# KiCad board proteus.kicad_pcb (continued)
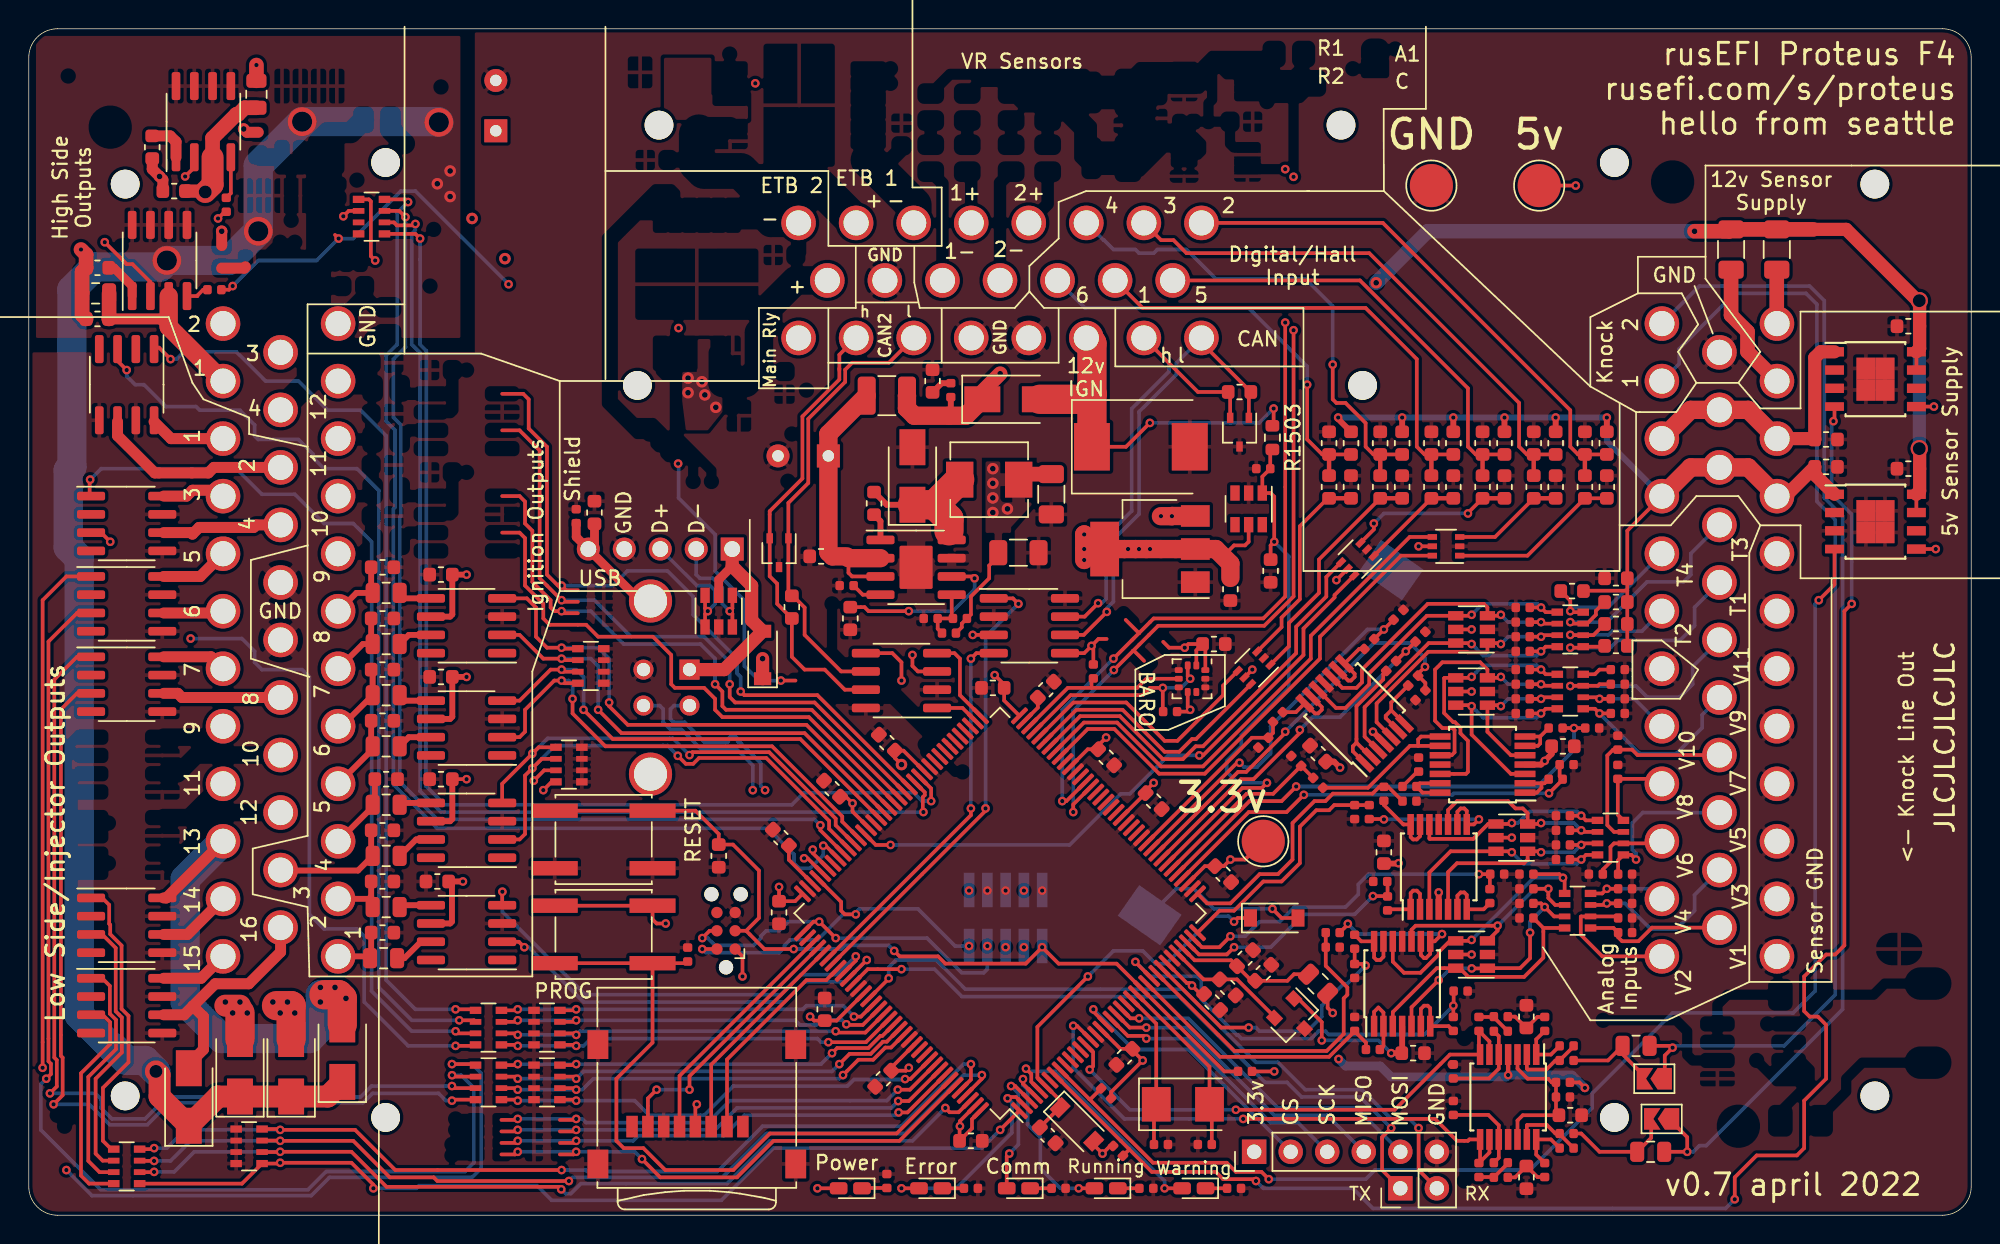
[diagram p0: board, top side]
## Routing (per net, layer and track width the routed paths; a pad name or vN(x,y) marks a point on that pad's centre or on a via; arc(x,y) is an arc through that point) (continued)
  Top w0.254: D1506.2 v1(72.97,1.87) ; U1501.4 69.1,9.15 v1(69.1,9.47)
  Bottom w0.254: v1(72.97,1.87) 71.7,1.87 70.3,3.27 70.3,5.43 69.42,6.32 69.42,8.72 69.1,9.04 v1(69.1,9.47)
/mcu/LED4: length 16.5
  Top w0.254: U1501.5 69.67,9.28 69.67,9.82 v1(69.31,10.19) ; v1(78.94,1.87) D1507.2
  Bottom w0.254: v1(69.31,10.19) 69.5,10 71.32,10 78.94,2.38 v1(78.94,1.87)
/mcu/nRESET: length 61.1
  Top w0.254: v1(60.14,18.38) 60.53,18 63.19,18 63.7,17.49 69.29,17.49 v1(70.43,18.64) 71.57,17.49 75.6,17.49 U1501.25 83.1,10 R1502.1 ; J4.3 49.86,19.78 ; 49.86,19.78 50.75,20.67 50.75,23.97 48.94,25.77 C1517.2 47.95,26.51 46.33,28.13 SW1501.1 SW1501.1 ; 49.86,19.78 51.13,18.51 v1(53.16,18.51)
  Bottom w0.254: J1502.10 v1(70.43,18.64) ; v1(60.14,18.38) 59.76,18.76 56.72,18.76 56.46,18.51 v1(53.16,18.51)
/mcu/SD_CS: length 15
  Top w0.254: J1.2 48.53,10.83 54.05,16.35 55.43,16.35 U1501.116
/mcu/SD_MISO: length 18.7
  Top w0.254: J1.7 43.03,8.12 v1(43.63,8.73) ; v1(45.92,8.73) 45.92,9.67 U1501.112
  Bottom w0.254: v1(43.63,8.73) v1(45.92,8.73)
/mcu/SD_MOSI: length 15.3
  Top w0.254: U1501.113 47.43,10.47 J1.3
/mcu/SD_SCK: length 16.6
  Top w0.254: J1.5 45.23,9.69 U1501.111
/mcu/SWCLK: length 26.7
  Top w0.254: v1(46.81,19.27) 47.32,19.78 J4.4 ; v1(56.08,19.27) v1(54.94,20.41) 54.54,20.41 U1501.109
  Bottom w0.254: v1(46.81,19.27) 47.19,19.27 47.7,18.76 50.37,18.76 50.87,19.27 50.87,19.4 51.25,19.78 52.14,19.78 52.78,20.41 v1(54.94,20.41) ; v1(56.08,19.27) 62.43,19.27 64.84,16.86 66.37,16.86 66.62,17.11 v1(66.62,18.72)
/mcu/SWDIO: length 26.2
  Top w0.254: J4.2 v1(46.81,18.51) ; 54.83,23.44 U1501.105 56.46,21.79 56.46,21.18 56.72,20.92 v1(57.48,20.92)
  Bottom w0.254: v1(65.35,18.72) 64.38,18.72 61.8,21.3 57.73,21.3 57.48,21.05 v1(57.48,20.92) 56.59,20.92 54.81,19.14 52.91,19.14 52.52,18.76 52.52,18.64 52.14,18.26 47.06,18.26 v1(46.81,18.51)
/mcu/UART_RX: length 49.4
  Top w0.254: J2.2 96.59,3.14 v1(96.59,6.06) ; U1501.122 59.76,16.44 v1(59.76,16.48)
  Bottom w0.254: v1(59.76,16.48) 59.76,17.24 60.27,17.75 63.06,17.75 65.1,15.71 80.21,15.71 85.29,10.63 86.81,10.63 88.72,8.73 92.66,8.73 94.69,6.7 95.96,6.7 v1(96.59,6.06)
/mcu/UART_TX: length 47.4
  Top w0.254: v1(60.65,17.11) 58.31,17.11 U1501.119 ; v1(94.69,6.06) 94.05,5.43 94.05,3.14 J2.1
  Bottom w0.254: v1(94.69,6.06) 92.53,8.22 88.47,8.22 87.45,9.24 85.92,9.24 79.96,15.21 64.84,15.21 62.94,17.11 v1(60.65,17.11)
/quad_analog3/IN4: length 2.1
  Top w0.254: R904.1 109.17,37.94 108.84,37.62 RN901.4
/quad_analog3/OUT4: length 1.6
  Top w0.254: 96.47,30.85 96.47,30.8 ; R20.1 96.51,30.85 R24.2
/USB_D+: length 38.9
  Top w0.2: U1501.104 55.22,23.77
  Top w0.254: U1501.104 55.18,23.77 54.13,24.82 v3(53.88,24.82) ; U1502.1 47,41.82 v3(47.19,42) 47,42.19 U1502.6
  In1.Cu w0.254: v3(53.88,24.82) 53.88,25.07 50.49,28.46 50.49,29.39 v3(50.32,29.56) ; J1501.3 44.07,36.79 44.07,39.49 44.67,40.1 47.21,40.1 47.7,40.59 47.7,41.5 v3(47.19,42)
  Bottom w0.254: J1501.3 43.85,35.44 44.09,35.2 44.09,34.28 44.6,33.77 45.36,33.77 46.78,32.35 49.24,32.35 50.32,31.28 v3(50.32,29.56) ; v3(47.19,42) 47.7,42.51 47.7,43.42 47.34,43.78 46.43,43.78 J1504.3
/USB_D-: length 38.2
  Top w0.2: U1501.103 55.54,24.08
  Top w0.254: U1502.4 48.9,42.19 v3(48.71,42) 48.9,41.82 U1502.3 ; U1501.103 55.54,24.13 54.49,25.18 v3(54.49,25.42)
  In1.Cu w0.254: v3(48.71,42) 48.21,41.5 48.21,40.37 47.42,39.59 44.88,39.59 44.57,39.28 44.57,36.79 J1501.2 ; v3(51.17,29.56) 51,29.39 51,28.67 54.24,25.42 v3(54.49,25.42)
  Bottom w0.254: v3(51.17,29.56) 50.87,29.86 50.87,31.44 49.45,32.86 49.41,32.87 49.36,32.88 49.32,32.91 49.29,32.94 49.26,32.98 49.25,33.02 49.24,33.12 49.22,33.16 49.2,33.2 49.16,33.24 49.12,33.26 49.08,33.28 49.03,33.28 48.85,33.28 48.81,33.28 48.76,33.26 48.72,33.24 48.69,33.2 48.66,33.16 48.65,33.12 48.64,33.02 48.62,32.98 48.6,32.94 48.56,32.91 48.52,32.88 48.48,32.87 48.43,32.86 46.99,32.86 45.57,34.28 44.81,34.28 44.6,34.49 44.6,35.2 44.84,35.44 J1501.2 ; J1504.2 46.39,44.54 46.64,44.29 47.55,44.29 48.21,43.63 48.21,42.51 v3(48.71,42)
/USB_SHIELD: length 23.9
  Top w0.254: 43.86,30.07 43.42,30.07
  Top w0.61: J1501.5 42.5,42.71 J1504.5 ; J1504.5 39.32,46.75 C1516.1 ; J1504.5 38.05,47.16 R1501.1
  In1.Cu w0.762: J1501.5 41.35,32.53 41.35,40.85 J1501.5
/VR1+: length 58.1
  Top w0.254: U1501.58 72.59,28.56 v3(72.59,28.03) ; v3(87.9,61.54) 87.9,43.02 85.86,40.99 78.49,40.99 76.75,39.24 ; 77.52,38.55 76.82,39.24 76.75,39.24 ; 76.75,39.24 v3(75.41,37.91)
  In1.Cu w0.254: v3(87.9,61.54) v3(87.9,72.21)
  Bottom w0.254: v3(72.59,28.03) 72.59,35.09 v3(75.41,37.91)
/VR2+: length 58.3
  Top w0.254: U1501.59 72.11,28.8 v3(71.83,28.8) ; 76.24,41.4 77.15,40.48 77.16,40.48 ; 77.16,40.48 v3(75.38,38.7) ; 77.16,40.48 78.18,41.5 85.8,41.5 87.32,43.02 v3(87.32,62.07)
  In1.Cu w0.254: v3(87.32,62.07) v3(87.32,72.74)
  Bottom w0.254: v3(71.83,28.8) 71.83,35.15 v3(75.38,38.7)
Net-(BT1-Pad1): length 11.9
  Top w0.254: D3.2 87.07,20.67 v1(86.43,21.3)
  Bottom w0.254: v1(86.43,21.3) 82.37,21.3 80.97,22.7 79.74,22.7 BT1.1
Net-(C1-Pad1): length 18
  Top w0.254: 105.26,19.98 105.26,17.91 103.93,16.57 100.05,16.57 99.45,17.18 U1.6 97.85,17.18 94.8,14.12 U701.3 ; 105.26,19.98 RN701.8 ; 105.26,19.98 C1.1
Net-(C2-Pad1): length 18
  Top w0.254: v1(104.34,19.65) 104.34,17.87 103.64,17.18 U1.1 ; v1(100.28,17.16) 101.36,17.16 U1.1 ; C2.1 105.1,21.68 v1(105.36,21.43) 106.01,20.78 RN701.7 ; U1.1 101.87,17.18 ; v1(97.99,16.35) 96.1,14.46 U701.5
  Bottom w0.254: v1(105.36,21.43) 104.34,20.41 v1(104.34,19.65) ; v1(97.99,16.35) 98.8,17.16 v1(100.28,17.16)
Net-(C3-Pad1): length 15.9
  Top w0.254: U1.3 102.08,19.78 v1(102.08,20.13) 96.38,20.13 96.1,19.85 U701.10 ; RN701.6 106.09,21.58 105.61,22.05 v1(105.61,22.7) C3.1
  Bottom w0.254: v1(105.61,22.7) 104.65,22.7 v1(102.08,20.13)
Net-(C4-Pad1): length 19.7
  Top w0.254: U701.12 94.8,17.63 95.58,16.86 96.72,16.86 97.99,18.13 97.99,18.3 98.77,19.08 U1.4 100.21,19.08 v1(100.28,19.14) ; C4.1 106.37,23.72 v1(106.63,23.46) 106.74,23.35 RN701.5
  Bottom w0.254: v1(100.28,19.14) 104.59,23.46 v1(106.63,23.46)
Net-(C5-Pad1): length 16.3
  Top w0.254: U801.3 97.34,23.83 98.82,25.31 U2.6 103,25.31 v1(103.07,25.24) ; C5.1 v1(107.9,24.73) 108.22,25.06 RN801.8
  Bottom w0.254: v1(107.9,24.73) 107.6,24.43 103.88,24.43 v1(103.07,25.24)
Net-(C6-Pad1): length 15
  Top w0.254: U801.5 98.64,23.86 99.26,24.48 103.92,24.48 104.17,24.73 U2.1 105.04,25.31 v1(105.1,25.24) ; RN801.7 108,25.86 v1(107.9,25.75) C6.1
  Bottom w0.254: v1(107.9,25.75) 107.39,25.24 v1(105.1,25.24)
Net-(C7-Pad1): length 13.8
  Top w0.254: C7.1 v1(107.9,26.76) 108,26.66 RN801.6 ; U801.10 98.64,28.18 99.26,28.8 102.82,28.8 103.32,28.29 103.83,28.29 104.17,27.95 U2.3 105.04,27.21 v1(105.1,27.27)
  Bottom w0.254: v1(105.1,27.27) 107.39,27.27 v1(107.9,26.76)
Net-(C8-Pad1): length 14.5
  Top w0.254: v1(103.07,27.27) 103,27.21 U2.4 101.42,27.21 100.39,26.17 97.37,26.17 97.34,26.2 U801.12 ; RN801.5 108.22,27.46 v1(107.9,27.78) C8.1
  Bottom w0.254: v1(107.9,27.78) 107.6,28.08 104.3,28.08 103.49,27.27 v1(103.07,27.27)
Net-(C9-Pad1): length 15.3
  Top w0.254: U3.6 100.21,35.47 v1(100.28,35.4) 100.28,33.42 103.01,30.69 U901.3 ; C9.1 v1(105.1,34.89) 105.43,35.22 RN901.8
  Bottom w0.254: v1(100.28,35.4) 101.08,34.59 104.8,34.59 v1(105.1,34.89)
Net-(C10-Pad1): length 11.1
  Top w0.254: U901.5 103.01,31.99 101.38,33.62 U3.1 102.24,35.47 v1(102.31,35.4) ; C10.1 v1(105.1,35.91) 105.21,36.02 RN901.7
  Bottom w0.254: v1(102.31,35.4) 102.82,35.91 v1(105.1,35.91)
Net-(C11-Pad1): length 18.4
  Top w0.254: C11.1 v1(105.1,36.92) 105.21,36.82 RN901.6 ; U901.10 98.89,31.99 99.09,32.19 99.09,33.73 98.95,33.88 98.24,33.88 97.74,34.38 97.74,37.94 98.24,38.45 100.87,38.45 101.38,37.95 U3.3 102.24,37.37 v1(102.31,37.43)
  Bottom w0.254: v1(105.1,36.92) 102.82,36.92 v1(102.31,37.43)
Net-(C12-Pad1): length 18.5
  Top w0.254: U901.12 99.88,30.69 100.02,30.83 100.02,32.99 99.5,33.51 99.5,33.9 99.12,34.28 99,34.28 98.37,34.92 98.37,37.34 98.39,37.37 U3.4 100.21,37.37 v1(100.28,37.43) ; RN901.5 105.43,37.62 v1(105.1,37.94) C12.1
  Bottom w0.254: v1(100.28,37.43) 101.08,38.24 104.8,38.24 v1(105.1,37.94)
Net-(C13-Pad1): length 20
  Top w0.254: U4.6 100.21,39.78 v1(100.28,39.72) ; U4.6 97.29,39.78 92.84,35.33 92.84,33.28 U1101.3 ; U4.6 99.19,39.78 ; C13.1 v1(105.1,39.21) 105.43,39.53 RN1101.8
  Bottom w0.254: v1(105.1,39.21) 104.8,38.91 101.08,38.91 v1(100.28,39.72)
Net-(C14-Pad1): length 18.5
  Top w0.254: U1101.5 93.67,34.29 93.67,35.59 97.26,39.18 99.96,39.18 100,39.14 101.31,39.14 101.38,39.2 U4.1 102.24,39.78 v1(102.31,39.72) ; C14.1 v1(105.1,40.23) 105.21,40.33 RN1101.7
  Bottom w0.254: v1(105.1,40.23) 102.82,40.23 v1(102.31,39.72)
Net-(C15-Pad1): length 20.7
  Top w0.254: v1(102.31,41.75) 102.24,41.68 U4.3 101.38,42.26 101.13,42.51 97.23,42.51 92.66,37.94 92.66,37.05 92.28,36.67 91.29,36.67 U1101.10 ; RN1101.6 105.21,41.13 v1(105.1,41.24) C15.1
  Bottom w0.254: v1(102.31,41.75) 102.82,41.24 v1(105.1,41.24)
Net-(C16-Pad1): length 21.7
  Top w0.254: RN1101.5 105.43,41.93 v1(105.1,42.26) C16.1 ; v1(100.28,41.75) 100.21,41.68 U4.4 ; U4.4 99.07,41.68 ; U4.4 97.16,41.68 93.16,37.69 93.16,36.92 91.51,35.27 90.85,35.27 U1101.12
  Bottom w0.254: v1(105.1,42.26) 104.85,42.51 101.04,42.51 v1(100.28,41.75)
Net-(C21-Pad2): length 3.2
  Top w0.254: R44.2 103.3,13.81 C21.2 104.85,13.79 R42.1
Net-(C22-Pad2): length 3.2
  Top w0.254: R45.2 103.3,2.63 C22.2 104.85,2.66 R43.1
Net-(C23-Pad1): length 2.5
  Top w0.254: C23.1 101.8,13.79 R44.1 101.82,13.76 R46.2
Net-(C24-Pad1): length 2.5
  Top w0.254: R47.2 102.79,3.6 R45.1 101.8,2.66 C24.1
Net-(C25-Pad2): length 6.2
  Top w0.254: 101.8,12.82 R46.1 102.17,12.45 U5.5 102.17,10.19 101.49,9.52 C25.2
Net-(C26-Pad2): length 6.2
  Top w0.254: C26.2 101.44,6.97 102.17,6.25 U5.10 102.17,3.99 R47.1
Net-(C30-Pad1): length 27.3
  Top w0.254: v1(73.61,16.6) 70.1,13.1 70.1,9.56 U1501.6 71.68,7.98 D4.1 71.64,7.48 C30.1 ; D3.1 84.02,20.67 v1(83.77,20.41)
  Bottom w0.254: v1(83.77,20.41) 83.39,20.8 82.37,20.8 79.07,17.49 78.31,17.49 77.42,18.38 75.38,18.38 v1(73.61,16.6)
Net-(C902-Pad1): length 11.8
  Top w0.254: C902.1 58.09,42.28 58.37,42 v1(61.16,42) ; v1(65.73,44.29) 65.61,44.42 U903.6
  Bottom w0.254: v1(61.16,42) 64.21,42 65.73,43.53 v1(65.73,44.29)
Net-(C904-Pad1): length 2.1
  Top w0.406: C904.1 59.19,48.26 59.19,46.96 59.1,47.05
Net-(C904-Pad2): length 9.3
  Top w0.406: D901.1 59.63,49.4 C904.2
  Top w2.032: 63.95,47.59 63.95,48.4 62.95,49.4 ; D901.1 62.95,49.4 ; 62.95,49.4 L1001.1
Net-(C905-Pad2): length 3.9
  Top w0.254: U903.5 64.14,41.58 R908.1 R907.1 63.17,40.78 C905.2
Net-(C1001-Pad1): length 19.1
  Top w0.254: 59.19,44.42 57.22,44.42 56.97,44.67 56.97,45.69 56.84,45.81
  Top w1.27: L1002.2 55.57,54.33 C1001.1 55.57,46.09 C1002.1 56.84,45.81 ; 56.97,45.69 59.19,45.69
Net-(C1006-Pad1): length 1.5
  Top w0.406: R906.2 63.45,57.86 C1006.1
Net-(C1205-Pad1): length 11.6
  Top w0.254: v1(100.02,48.8) 100.02,48.84 R1202.1 ; v1(93.48,48.1) 93.48,47.69 U1202.3
  Top w0.305: C1205.1 R1202.1
  Bottom w0.254: v1(100.02,48.8) 94.18,48.8 v1(93.48,48.1)
Net-(C1208-Pad1): length 14.3
  Top w0.254: R1204.1 90.28,49.85 88.34,47.91 88.34,42.83 87.07,41.56 87.07,40.89 U1208.3
  Top w0.305: R1204.1 C1208.1
Net-(C1402-Pad1): length 7.2
  Top w0.254: U1202.1 93.47,45.84 R1402.1
  Top w0.305: R1402.1 C1402.1
Net-(C1404-Pad1): length 11.9
  Top w0.254: C1404.1 R1404.1 104.16,45.86 U1207.1
Net-(C1406-Pad1): length 7.8
  Top w0.254: U1207.3 101.9,47.16 R1406.1
  Top w0.305: R1406.1 C1406.1
Net-(C1408-Pad1): length 16.3
  Top w0.254: U1208.1 87.58,39.56 87.58,41.18 89.67,43.27 89.67,45.6 R1408.1
  Top w0.305: R1408.1 C1408.1
Net-(C1518-Pad1): length 2
  Top w0.254: C1518.1 70.13,35.3 U1501.71
Net-(C1519-Pad1): length 3.3
  Top w0.254: C1519.1 52.83,24.71 U1501.106
Net-(C1520-Pad1): length 8.7
  Top w0.254: U8.2 86.58,13.79 83.97,16.4 C1520.1 81.65,16.4 U1501.32
Net-(C1521-Pad1): length 10.9
  Top w0.254: 78.2,4.92 78.2,7.55 Y1501.1 78.36,13.32 U1501.23
Net-(C1522-Pad1): length 12.7
  Top w0.254: U1501.24 82.06,10.33 Y1501.2 82.22,7.55 C1522.1
Net-(C1901-Pad1): length 6.7
  Top w0.254: JP1.2 112.25,9.71 110.77,11.19 C1901.1 109.75,10.76 R1901.2
Net-(C1902-Pad1): length 7.6
  Top w0.254: JP2.2 112.76,5.39 C1902.1 109.17,4.41 107.9,5.68 R1902.2
Net-(D1502-Pad1): length 1.7
  Top w0.254: D1502.1 57.93,1.89 R1508.2
Net-(D1503-Pad2): length 15.2
  Top w0.61: 48.89,45.13 47.95,44.2 U1502.5
  Top w0.914: J1501.1 48.33,37.94 D1503.2 50.24,41.37 50.24,43.78 48.89,45.13 J1504.1
Net-(D1504-Pad1): length 1.5
  Top w0.254: D1504.1 R1509.2
Net-(D1505-Pad1): length 1.5
  Top w0.254: R1510.2 D1505.1
Net-(D1506-Pad1): length 1.5
  Top w0.254: D1506.1 R1511.2
Net-(D1507-Pad1): length 1.5
  Top w0.254: D1507.1 R1512.2
Net-(F101-Pad1): length 9.1
  Top w1.016: F101.1 118.31,62.58 119.45,61.44 119.45,60.05 J103.11
Net-(F102-Pad2): length 3.8
  Top w1.016: J103.12 121.49,62.02 F102.2
Net-(R1-Pad2): length 4.6
  Top w0.254: R1.2 94.15,11.77 U701.2 94.15,14.09 93.8,14.45 93.5,14.15 U701.1
Net-(R2-Pad2): length 5
  Top w0.254: U701.6 96.75,14.35 96.97,14.57 97.23,14.57 97.4,14.4 U701.7 98.68,13.15 R2.2
Net-(R3-Pad2): length 11.4
  Top w0.254: U701.9 96.75,18.1 96.97,17.87 97.1,17.87 97.4,18.17 U701.8 97.71,19.05 v1(98.22,19.55) ; R3.2 91.68,20.22 v1(91.68,20.27)
  Bottom w0.254: v1(91.68,20.27) 92.39,19.55 v1(98.22,19.55)
Net-(R4-Pad2): length 4.6
  Top w0.254: U701.13 94.15,17.97 93.93,17.75 93.67,17.75 93.5,17.92 U701.14 92.6,19.05 R4.2
Net-(R9-Pad2): length 4.7
  Top w0.254: U801.2 96.69,22.35 96.47,22.57 96.21,22.57 96.04,22.4 U801.1 94.51,21.27 R9.2
Net-(R10-Pad2): length 4.5
  Top w0.254: R10.2 101.11,21.27 U801.7 99.94,22.27 99.77,22.45 99.51,22.45 99.29,22.22 U801.6
Net-(R11-Pad2): length 11.3
  Top w0.254: v1(100.78,27.53) 100.43,27.17 U801.8 99.94,28.12 99.77,28.29 99.51,28.29 99.29,28.06 U801.9 ; R11.2 94.16,27.55 v1(94.18,27.53)
  Bottom w0.254: v1(94.18,27.53) v1(100.78,27.53)
Net-(R12-Pad2): length 5.2
  Top w0.254: R12.2 94.18,28.52 95.53,27.17 U801.14 96.04,26.3 96.21,26.13 96.47,26.13 96.69,26.35 U801.13
Net-(R17-Pad2): length 3.4
  Top w0.254: R17.2 105.35,30.04 105.13,30.04 ; U901.1 104.8,29.39 105.13,29.71 105.13,30.04 ; U901.2 105.13,30.04
Net-(R18-Pad2): length 3.5
  Top w0.254: U901.6 104.88,32.64 105.04,32.8 105.04,33.29 ; 105.04,33.29 U901.7 ; 105.04,33.29 R18.2
Net-(R19-Pad2): length 11.4
  Top w0.254: 96.56,32.64 U901.9 ; 96.56,32.64 95.99,32.64 93.08,29.72 R19.2 ; 96.56,32.64 96.56,33.08 96.77,33.29 U901.8
Net-(R20-Pad2): length 3.6
  Top w0.254: U901.14 96.87,29.39 R20.2 96.67,30.04 U901.13
Net-(R25-Pad2): length 8.5
  Top w0.254: 92.28,32.86 92.02,32.61 92.02,32.26 U1101.1 ; 92.28,32.86 92.28,35.4 94.14,37.26 94.14,37.64 R25.2 ; 92.28,32.86 92.78,32.35 ; U1101.2 93.25,31.89
Net-(R26-Pad2): length 5.4
  Top w0.254: U1101.7 94.69,35.11 ; 94.69,35.11 94.31,34.73 94.31,34.57 U1101.6 ; 94.69,35.11 94.69,35.65 R26.2
Net-(R27-Pad2): length 4.6
  Top w0.254: R27.2 92.46,39.38 U1101.8 92.15,37.65 92.15,37.43 91.89,37.18 91.7,37.18 U1101.9
Net-(R28-Pad2): length 4.6
  Top w0.254: R28.2 88.07,34.98 U1101.14 89.39,34.89 89.61,34.89 89.86,35.15 89.86,35.34 U1101.13
Net-(R905-Pad1): length 2.1
  Top w0.254: R905.1 57.96,43.15 59.19,43.15
Net-(R1105-Pad1): length 1.6
  Top w0.254: U1102.4 11.72,63.91 11.72,63.95 12.12,64.36 R1105.1
Net-(R1106-Pad1): length 2.8
  Top w0.61: U1102.1 7.18,64.61 5.91,65.88 R1106.1
Net-(R1107-Pad1): length 3
  Top w0.254: 14.04,73.56 14.04,71.06 R1107.1
Net-(R1108-Pad1): length 2.9
  Top w0.762: R1108.1 9.83,75.05 10.23,74.64 10.23,73.56
Net-(R1601-Pad2): length 2.8
  Top w0.406: R1601.2 26.11,17.87 27.25,19.02 U1602.7
Net-(R1602-Pad2): length 2.2
  Top w0.406: U1602.5 25.9,21.56 R1602.2
Net-(R1603-Pad2): length 2.6
  Top w0.406: R1603.2 26.92,26.13 27.95,26.13
Net-(R1604-Pad2): length 2.2
  Top w0.406: U1603.5 25.9,28.67 R1604.2
Net-(R1701-Pad2): length 2.4
  Top w0.406: U1701.7 26.41,33.24 R1701.2
Net-(R1702-Pad2): length 2.3
  Top w0.406: R1702.2 26.16,35.78 27.95,35.78
Net-(R1703-Pad2): length 2.4
  Top w0.406: U1702.7 26.41,40.35 R1703.2
Net-(R1704-Pad2): length 2.3
  Top w0.406: R1704.2 26.16,42.89 U1702.5
Net-(R1901-Pad1): length 5
  Top w0.254: U5.2 104.12,10.19 104.18,10.13 105.47,10.13 106.1,10.76 R1901.1 107.36,11.73 R1903.2
Net-(R1902-Pad1): length 4.9
  Top w0.254: U5.13 104.12,6.25 104.14,6.28 105.51,6.28 106.1,5.68 R1902.1 106.39,5.64 R1904.2
Net-(R1903-Pad1): length 3.8
  Top w0.254: R1903.1 105.79,11.17 U5.1 104.77,12.23 R42.2
Net-(R1904-Pad1): length 3.8
  Top w0.254: R43.2 104.77,4.22 U5.14 105.79,5.27 R1904.1
Net-(RN201-Pad5): length 64
  Top w0.254: 8.71,60.33 9.05,60.33 v1(9.85,59.53) ; v1(29.66,14.32) 30.98,14.32 RN201.5
  Bottom w0.254: v1(29.66,14.32) 26.87,14.32 24.84,16.35 24.84,54.2 23.06,55.97 20.77,55.97 18.74,58.01 16.46,58.01 14.42,60.04 10.78,60.04 10.28,59.53 v1(9.85,59.53)
Net-(RN201-Pad6): length 65.9
  Top w0.254: v1(29.92,13.56) 30.94,13.56 RN201.6 ; 6.17,60.33 6.17,59.4 v1(6.8,58.77)
  Bottom w0.254: v1(29.92,13.56) 26.62,13.56 24.33,15.84 24.33,50.39 22.81,51.91 20.52,51.91 19.76,52.67 19.76,52.93 18.74,53.94 15.95,53.94 15.69,54.2 15.69,54.96 14.68,55.97 11.88,55.97 11.63,56.23 9.53,56.23 8,57.75 7.4,57.75 6.8,58.34 v1(6.8,58.77)
Net-(RN201-Pad7): length 62.8
  Top w0.254: 4.23,50.01 4.23,51.11 v1(4.26,51.15) ; RN201.7 29.81,12.65 v1(29.66,12.79)
  Bottom w0.254: v1(29.66,12.79) 26.62,12.79 23.82,15.59 23.82,46.83 22.55,48.1 20.52,48.1 18.49,50.13 16.2,50.13 14.42,51.91 5.03,51.91 v1(4.26,51.15)
Net-(RN201-Pad8): length 58
  Top w0.254: v3(5.66,46.83) 5.03,47.47 4.23,47.47 ; RN201.8 30.98,11.78 v1(29.66,11.78)
  In2.Cu w0.254: v3(11.25,40.1) 6.33,40.1 5.66,40.77 v3(5.66,46.83)
  Bottom w0.254: v1(29.66,11.78) 26.36,11.78 23.31,14.83 23.31,19.4 22.81,19.91 20.52,19.91 19.5,20.92 19.5,37.43 19,37.94 16.2,37.94 15.69,38.45 15.69,39.21 14.8,40.1 v3(11.25,40.1)
Net-(RN301-Pad5): length 86
  Top w0.254: RN301.5 30.98,10.51 v1(29.41,10.51) ; v1(0.96,10.25) 0.96,42.77 2.61,44.42 4.23,44.42
  In2.Cu w0.254: v1(2.61,3.14) 2.61,5.05 3.12,5.55 3.12,8.86 1.72,10.25 v1(0.96,10.25)
  Bottom w0.254: v1(29.41,10.51) 30.81,10.51 31.44,9.87 31.44,3.27 30.81,2.63 20.9,2.63 19.63,1.36 4.39,1.36 v1(2.61,3.14)
Net-(RN301-Pad6): length 79.4
  Top w0.254: v1(1.22,9.49) 1.54,9.82 1.54,10.53 1.37,10.7 1.37,39.89 3.35,41.88 4.23,41.88 ; RN301.6 29.51,9.64 v1(29.41,9.74)
  Bottom w0.254: v1(29.41,9.74) 30.05,9.74 30.93,8.86 30.93,3.65 30.32,3.04 20.67,3.04 19.4,1.77 5,1.77 0.84,5.94 0.84,9.11 v1(1.22,9.49)
Net-(RN301-Pad7): length 63.8
  Top w0.254: 4.23,38.83 3.35,38.83 1.77,37.25 1.77,10.97 1.95,10.79 1.95,8.95 v1(1.47,8.48) ; v1(29.41,8.98) 29.56,8.84 RN301.7
  Bottom w0.254: v1(1.47,8.48) 4.63,8.48 5.03,8.08 5.03,7.46 5.79,6.7 8.07,6.7 9.6,8.22 23.06,8.22 23.82,8.98 v1(29.41,8.98)
Net-(RN301-Pad8): length 61.3
  Top w0.254: v1(29.41,7.97) 29.48,8.04 RN301.8 ; v1(1.72,7.71) 2.35,8.34 2.35,10.96 2.23,11.08 2.23,35.17 3.35,36.29 4.23,36.29
  Bottom w0.254: v1(1.72,7.71) 4.2,7.71 5.62,6.29 8.24,6.29 9.77,7.82 23.23,7.82 23.89,8.48 28.48,8.48 28.99,7.97 v1(29.41,7.97)
Net-(RN501-Pad5): length 20.2
  Top w0.254: RN501.5 5.73,4.6 5.15,5.17 5.15,8.86 6.93,10.63 6.93,13.87 6.45,14.35 6.45,18.76 5.66,19.54 5.66,20.19 5.59,20.26 5.59,21.58 5.1,22.06 4.23,22.06
Net-(RN501-Pad6): length 18.9
  Top w0.254: 4.23,19.52 5.1,19.52 6.04,18.59 6.04,14.18 6.47,13.76 6.47,11.31 4.64,9.49 4.64,4.29 5.13,3.8 RN501.6
Net-(RN501-Pad7): length 16.9
  Top w0.254: RN501.7 4.92,3 4.14,3.78 4.14,9.62 6.06,11.54 6.06,13.59 5.64,14.01 5.64,15.95 5.1,16.48 4.23,16.48
Net-(RN501-Pad8): length 15.8
  Top w0.254: 4.23,13.94 4.39,13.94 4.33,13.94 5.14,13.94 5.65,13.42 5.65,11.9 3.63,9.87 3.63,2.76 4.19,2.2 RN501.8
Net-(RN1301-Pad5): length 31
  Top w0.254: v3(24.08,66.39) 23.78,66.69 23.78,70.5 23.64,70.64 RN1301.5 ; v3(5.28,67.66) 6.8,66.13 7.21,66.13 8.45,64.89 U1102.2
  In1.Cu w0.254: v3(24.08,66.39) 24.08,65.88 23.75,65.55 13.73,65.55 11.3,67.98 5.61,67.98 v3(5.28,67.66)
Net-(RN1301-Pad6): length 15
  Top w0.254: v3(10.87,72.23) 11.5,72.87 11.5,73.56 ; RN1301.6 22.24,69.84 v3(21.86,69.46)
  In1.Cu w0.254: v3(10.87,72.23) 19.09,72.23 v3(21.86,69.46)
unconnected-(J1502-Pad6): length 0.1
  Bottom w0.61: J1502.6 v1(67.89,18.64)
unconnected-(J1502-Pad7): length 0
  Bottom w0.61: J1502.7 v1(69.16,22.57)
unconnected-(J1502-Pad8): length 0.1
  Bottom w0.61: J1502.8 v1(69.16,18.64)

## Copper pours and planes (outline as drawn; the poured copper is in the pictures)
+3V3 on In2.Cu: 43.5,0 91.5,0 91.5,17 80.97,37.94 78.43,47.34 71.07,48.1 71.07,37.69 43.5,37.69
+5V on Top: 69.8,49.5 68.27,47.85 68.27,44.8 66.49,44.8 66.49,52.42 69.8,52.42
+5V on In2.Cu: 0,82.5 0,0 42.5,0 42.68,38.19 70.3,38.19 70.3,48.86 79.19,47.85 81.99,37.94 92.66,16.6 92.5,0 135,0 135,82.5
/12V_MR on Top: 48.21,55.85 47.19,54.58 45.67,54.58 45.41,56.61 45.41,58.64 46.43,58.64 46.43,60.93 48.21,60.93
/12V_MR on Top: 47.44,77.94 49.98,77.94 49.98,76.17 44.14,76.17 44.14,80.48 47.44,80.48
/12V_MR on Top: 30,82 0.5,82 0.5,61 30,61
/12V_MR on Bottom: 49.48,74.39 55.83,63.34 55.83,59.15 48.21,55.59 41.86,55.59 33.6,65.37 27,72.1 27,77.56 41.35,77.69 44.4,79.98 47.19,79.98
GND on Top: 135,0 0,0 0,60 31,60 31,82.5 135,82.5 ; 1 cut-out
GND on Bottom: 135,0 0,0 0,82.5 135,82.5
GND on In1.Cu: 0,82.5 0,0 135,0 135,82.5

## Text on the board
B.Silkscreen: 776231-1 | 776228-1 | 776231-2 | USB B | Welcome to rusEFI Proteus! / Board source & documentation / at github.com/mck1117/proteus / Firmware, forum, and software / documentation at rusefi.com | + | BLACK | WHITE
F.Silkscreen: h | l | Main Rly | GND | CAN2 | Running | Warning | TX | RX | 2 | 1 | 3 | 4 | PROG | USB | - | ETB 2 | + | Power | ETB 1 | Error | 1- | 1+ | 2- | Comm | VR Sensors | 2+ | 6 | 12v / IGN | 5 | CAN | Digital/Hall / Input | R1 | R2 | C | A1 | 12v Sensor / Supply | High Side / Outputs | 7 | 9 | 11 | 13 | 14 | 15 | 12 | 16 | 8 | 10 | Ignition Outputs | Shield | D+ | RESET | D- | 3.3v | CS | SCK | MISO | MOSI | Knock | Analog / Inputs | T2 | V4 | V2 | T4 | V8 | V6 | V10 | T1 | V9 | V7 | V5 | V1 | T3 | V3 | V11 | Sensor GND | <— Knock Line Out | 5v Sensor Supply | BARO | Low Side/Injector Outputs | JLCJLCJLCJLC | v0.7 april 2022 | rusEFI Proteus F4 / rusefi.com/s/proteus / hello from seattle | 5v
